# KiCad board sizif512.kicad_pcb (continued)
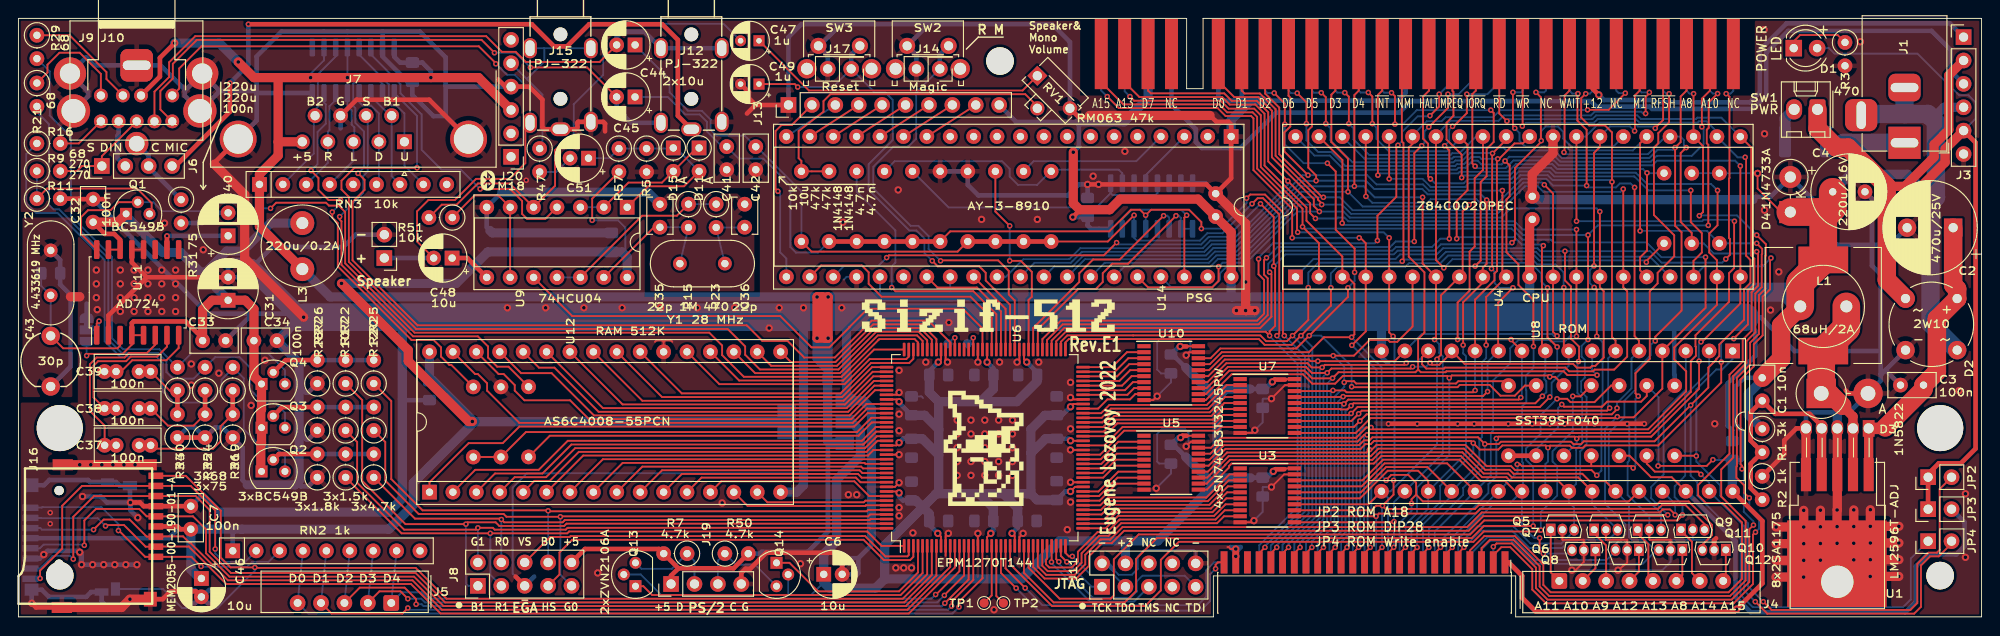
[diagram p0: board, top side]
## Routing (per net, layer and track width the routed paths; a pad name or vN(x,y) marks a point on that pad's centre or on a via; arc(x,y) is an arc through that point) (continued)
/~{xRFSH}: length 7.3
  Top w0.2: U5.3 119.25,18.37 117.5,16.62 U6.51
/~{xWR}: length 7.3
  Top w0.2: U5.4 119.16,17.72 117.56,16.12 U6.50
Net-(C1-Pad2): length 26.3
  Top w0.5: 195.4,20.47 195.4,20.57 ; R2.2 187.95,13.98 187.95,16.63 R1.2 187.95,19.13 187.95,22.22 C1.2 190.62,22.05 194.33,22.05 195.65,20.73 U1.4
  Top w1: U1.4 195.65,14.95
Net-(C2-Pad1): length 32.7
  Top w1: 200.75,20.57 200.75,14.95
  Top w1.25: 202.75,20.47 U1.1
  Top w2: 202.55,20.57 206.7,24.72 C3.1 208.15,26.62 208.15,32.37 D2.3 210.35,35.61 209.92,36.04 C2.1
Net-(C35-Pad2): length 15.5
  Top w0.2: C35.2 68.96,42.32 U9.13
  Bottom w0.2: Y1.2 R15.2 72.67,42.32 C35.2
Net-(C36-Pad2): length 7.1
  Bottom w0.2: C36.2 78.77,42.29 R23.2 Y1.1
Net-(C37-Pad1): length 15.4
  Top w0.2: R36.2 21.93,20.69 21.93,19.07 21.12,18.27 14.71,18.27 C37.1
  Top w0.5: R19.1 R36.2 ; C37.1 C37.1
Net-(C37-Pad2): length 19.7
  Top w0.2: C37.2 9.35,20.77 7.75,22.37 7.75,27.44 8.48,28.17 11.52,28.17 12.02,28.67 13.95,28.67 14.84,29.57 U11.6
  Top w0.5: C37.2 C37.2
Net-(C38-Pad1): length 11
  Top w0.2: C38.1 16.22,20.77 19.01,20.77 R35.2
  Top w0.5: C38.1 C38.1 ; R24.1 R35.2
Net-(C38-Pad2): length 16.5
  Top w0.2: C38.2 8.15,23.84 8.15,27.27 8.65,27.77 11.68,27.77 12.18,28.27 15.05,28.27 16.12,29.34 U11.7
  Top w0.5: C38.2 C38.2
Net-(C39-Pad1): length 7.6
  Top w0.2: R30.1 16.41,24.57 C39.1
  Top w0.5: R30.1 R34.2 ; C39.1 C39.1
Net-(C39-Pad2): length 11
  Top w0.2: 11.15,26.67 10.59,26.67 ; U11.8 17.38,29.21 16.05,27.87 12.35,27.87 11.12,26.65 C39.2
  Top w0.5: C39.2 C39.2
Net-(C40-Pad1): length 8.1
  Top w0.5: U11.10 16.12,41.37 v2(16.12,41.37)
  Bottom w0.5: C40.1 16.14,41.39 v2(16.12,41.37)
Net-(C40-Pad2): length 5.6
  Bottom w0.5: R31.2 19.96,42.78 21.07,43.89 C40.2
Net-(C43-Pad1): length 16.6
  Top w0.2: C43.1 4.85,29.17 10.74,29.17 11.03,29.47 U11.3
  Bottom w0.2: 3.5,30.52 Y2.1 2.48,35.94 R56.2
Net-(C47-Pad1): length 33.1
  Top w0.2: RV1.1 108.95,57.17 85.77,57.17 80.37,62.57 C47.1
Net-(C47-Pad2): length 52.3
  Top w0.2: R51.2 45.93,44.77 47.55,44.77 49.85,47.07 53.31,47.07 U9.5 58.23,46.83 58.23,50.7 59.25,51.72 v2(60.25,51.72)
  Bottom w0.2: v2(60.25,51.72) 60.25,55.67 63.45,58.87 63.45,62.77 65.09,64.41 76.51,64.41 C47.2
Net-(C48-Pad1): length 4.6
  Top w0.5: C48.1 48.71,38.97 U9.8
Net-(C51-Pad1): length 22.9
  Top w0.2: D11.2 72.23,46.77 68.33,46.77 U9.1
  Bottom w0.2: D11.2 71.31,50.93 D15.1 70.98,50.87 R5.1 R57.1 64.1,49.82 C51.1
Net-(C51-Pad2): length 3.9
  Bottom w0.2: 56.55,48.33 58.35,48.33 C51.2
Net-(D1-Pad1): length 6.9
  Top w0.2: R3.1 197.38,63.19 193.3,63.19 192.62,62.51 D1.1
Net-(D2-Pad2): length 41.5
  Bottom w1: 207.75,54.17 208.93,55.35 J3.4
  Bottom w2: 207.3,54.49 208.05,53.74 208.05,45.57 207.45,44.97 207.45,31.87 D2.2 ; 207.3,54.49 207.17,54.62 204.65,54.62 ; 207.3,54.49 207.35,54.44 ; 204.65,54.62 204.64,54.63 J1.2 ; 204.65,54.62 200.07,54.62 J1.3
Net-(D2-Pad4): length 43.5
  Top w1: J3.2 209.45,58.83 209.45,52.91 207.85,51.31 207.85,49.94 204.67,46.76 202.72,46.76
  Top w2: D2.4 202.72,36.6 202.72,46.76 198.51,50.97 197.25,50.97 195.2,53.02 SW1.1
Net-(D3-Pad1): length 22.8
  Top w1: 199.05,14.95 U1.2 199.05,21.77 199.04,21.77 197.88,22.93
  Top w2: 195.2,24.27 196.14,24.27 ; D3.1 196.54,24.27 197.88,22.93
  Top w3: L1.1 198.33,31.37 L2.1 195.6,28.65 D3.1
Net-(D11-Pad1): length 15.5
  Top w0.2: U9.2 66.19,47.17 69.83,47.17 D15.2 73.59,50.93 D11.1
  Bottom w0.2: U9.3 U9.2
Net-(F1-Pad1): length 8.6
  Bottom w1: 198.02,51.49 197.89,51.62
  Bottom w1.2: 197.89,51.62 F1.1
  Bottom w2: J1.1 198.02,51.49
Net-(F1-Pad2): length 3.9
  Bottom w1.2: F1.2 191.68,54.14 SW1.2
Net-(J4-Pad1): length 6
  Top w0.2: J4.1 166.25,4.84 Q5.1
Net-(J4-Pad2): length 3.9
  Top w0.2: Q6.1 171.11,5.28 J4.2
Net-(J4-Pad3): length 6.1
  Top w0.2: J4.3 172.27,7.75 170.96,9.06 Q7.1
Net-(J4-Pad4): length 3.8
  Top w0.2: Q8.1 175.82,4.92 J4.4
Net-(J4-Pad5): length 6.3
  Top w0.2: J4.5 176.85,4.4 176.85,7.87 175.68,9.04 Q9.1
Net-(J4-Pad6): length 3.6
  Top w0.2: Q10.1 180.54,4.55 J4.6
Net-(J4-Pad7): length 6.4
  Top w0.2: J4.7 181.58,4.75 181.58,8.16 180.39,9.35 Q11.1
Net-(J4-Pad8): length 3.5
  Top w0.2: J4.8 185.25,4.18 Q12.1
Net-(J13-Pad2): length 21.4
  Top w0.2: J13.2 83.91,53.42 82.8,53.42 82.15,52.77 82.15,46.47 v2(82.4,46.22)
  Bottom w0.2: v2(82.4,46.22) 82.65,45.97 82.65,39.6 83.32,38.93 U14.21
Net-(J13-Pad3): length 6.3
  Bottom w0.2: U14.20 J13.3
Net-(J13-Pad4): length 6.3
  Top w0.2: U14.19 J13.4
Net-(J13-Pad5): length 6.3
  Top w0.2: U14.18 J13.5
Net-(J13-Pad6): length 6.3
  Top w0.2: U14.17 J13.6
Net-(J13-Pad7): length 6.3
  Top w0.2: U14.16 J13.7
Net-(J13-Pad8): length 6.3
  Top w0.2: U14.15 J13.8
Net-(J13-Pad9): length 6.3
  Top w0.2: U14.14 J13.9
Net-(J19-Pad2): length 10.2
  Bottom w0.2: J19.2 73.35,6.07 R7.1 70.9,5.22 67.6,5.22 Q13.3
Net-(J19-Pad3): length 10.7
  Bottom w0.2: J19.3 75.89,6.11 R50.1 77.85,5.67 79.91,5.67 Q14.3
Net-(JP2-Pad2): length 67.7
  Top w0.2: v2(182.05,17.47) 182.02,17.5 R13.2 ; JP2.2 208.45,13.88 208.45,7.27 208.15,6.97 207.25,6.97 206.02,5.74 206.02,1.49 205.28,0.75 190.21,0.75 v2(189.31,1.65)
  Bottom w0.2: v2(189.31,1.65) 187.65,3.31 187.65,10.17 184.65,13.17 184.65,14.27 182.05,16.87 v2(182.05,17.47) 182.05,24.7 184.22,26.87 184.85,26.87 185.99,28.01 U8.1
Net-(JP3-Pad2): length 57.9
  Top w0.2: U8.30 179.38,15.17 177.14,15.17 174.81,17.5 R14.2
  Bottom w0.5: JP3.2 211.15,10.29 211.15,7.67 210.25,6.77 207.15,6.77 205.88,5.5 205.88,1.62 204.75,0.5 ; U8.30 186.3,8.25 186.3,2.16 187.96,0.5 204.75,0.5
Net-(JP4-Pad2): length 51.1
  Top w0.2: v2(188.45,1.65) 189.75,0.35 205.68,0.35 206.43,1.09 206.43,5.58 207.42,6.57 208.35,6.57 209.74,7.96 ; R18.2 176.68,16.65 177.55,15.77 182.25,15.77 v2(182.55,15.47)
  Bottom w0.2: v2(188.45,1.65) 187.25,2.85 187.25,9.84 U8.31 183.45,14.57 v2(182.55,15.47)
Net-(JP6-Pad2): length 3.7
  Top w0.2: U11.1 8.49,31.87 v2(8.75,32.12)
  Bottom w0.2: JP6.2 8.35,31.17 8.75,31.57 v2(8.75,32.12)
Net-(Q1-Pad3): length 17.8
  Top w0.2: Q1.3 14.45,44 14.45,44.95 12.88,46.52 3.1,46.52 R11.1
  Bottom w0.2: R9.1 R11.1
Net-(Q2-Pad2): length 11
  Top w0.5: R28.2 28.26,17.69 27.65,17.07
  Bottom w0.5: 38.5,17.69 32.5,17.69
Net-(Q2-Pad3): length 62.1
  Bottom w0.2: R16.1 0.85,50.27 0.85,44.94 1.93,43.86 4.25,43.86 9.35,38.76 9.35,29.94 11.02,28.27 14.96,28.27 15.65,27.58 15.65,24.47 16.85,23.27 20.61,23.27 22.04,24.7 22.04,25.77 23.25,26.98 R19.2 24.45,25.91 24.45,20.38 26.36,18.47 27.82,18.47 28.91,17.38 Q2.3
Net-(Q3-Pad2): length 11.2
  Top w0.5: 27.65,21.82 28.62,22.79 R27.2
  Bottom w0.5: 38.5,22.79 32.5,22.79
Net-(Q3-Pad3): length 57
  Bottom w0.2: R21.2 2,54.82 3.3,53.52 3.3,44.77 3.8,44.26 4.42,44.26 9.75,38.93 9.75,30.11 11.18,28.67 15.12,28.67 16.05,27.74 16.05,26.59 16.77,25.87 19.01,25.87 R24.2 21.35,28.21 23.98,28.21 25.12,27.07 25.12,24.7 26.66,23.17 27.93,23.17 28.91,22.18 Q3.3
Net-(Q4-Pad2): length 11.3
  Top w0.5: R26.2 28.98,27.89 27.65,26.55
  Bottom w0.5: 32.5,27.89 38.5,27.89
Net-(Q4-Pad3): length 56.7
  Bottom w0.2: Q4.3 28.91,26.79 27.1,28.61 18.75,28.61 R30.2 15.29,29.07 11.35,29.07 10.15,30.27 10.15,39.09 5.7,43.54 5.7,52.14 3.4,54.44 3.4,59.24 R29.2
Net-(R15-Pad1): length 20.6
  Top w0.2: R15.1 71.44,43.57 67.67,43.57 U9.12
  Bottom w0.2: R15.1 R23.1 ; U9.11 U9.12
Net-(R39-Pad2): length 16.5
  Bottom w0.2: U14.4 121.28,49.49 110.15,49.49 R39.2
Net-(R40-Pad2): length 31.2
  Bottom w0.2: 118.5,46.02 118.71,45.82 123.38,45.82 123.59,46.02 U13.5 ; 118.5,46.02 116.96,44.47 100.92,44.47 R40.2 ; 118.5,46.02 U13.1
Net-(R41-Pad2): length 31
  Bottom w0.2: R41.2 95.07,49.49 106.73,49.49 107.55,48.67 107.55,47.82 108.45,46.92 110.53,46.92 112.18,48.57 119.38,48.57 119.78,48.17 U13.2 U13.3
Net-(R45-Pad2): length 36.1
  Top w0.2: 110.51,55.5 109.24,56.77 88.1,56.77 87.35,56.02 87.35,54.87 84.65,52.77 84.65,49.82 84.95,49.52 R46.2 R45.2
Net-(R51-Pad1): length 15.4
  Top w0.2: U9.9 U9.6 52.07,45.77 49.48,45.77 R51.1
Net-(R52-Pad1): length 43
  Top w0.2: R52.1 46.96,27.37 46.75,27.37 45.85,28.27 45.85,29.27 45.05,30.07 42.65,30.07 34.65,38.07 34.65,42.77 34.05,43.37 v2(34.05,43.97) ; v2(31.75,48.47) 32.55,47.67 32.55,46.37 33.65,45.27 v2(34.95,45.27)
  Bottom w0.2: v2(31.75,48.47) 32.45,49.17 32.45,52.67 33.35,53.57 33.35,55.67 33.15,55.87 33.15,56.9 ; v2(34.95,45.27) 34.95,44.87 v2(34.05,43.97)
Net-(TP1-Pad1): length 6.6
  Top w0.2: TP1.1 105.6,2.33 U6.20
Net-(TP2-Pad1): length 6.5
  Top w0.2: TP2.1 106.1,2.27 U6.21
Net-(TP3-Pad1): length 2.2
  Top w0.2: v2(103.6,30.32) U6.93
  Bottom w0.2: v2(103.6,30.32) TP3.1
Net-(TP4-Pad1): length 2.3
  Top w0.2: v2(101.6,30.32) U6.97
  Bottom w0.2: v2(101.6,30.32) 101.5,30.32 TP4.1
Net-(U13-Pad4): length 6.8
  Bottom w0.2: U14.3 123,48.67 123,48.67 122.31,47.99 122.31,47.1
Net-(U13-Pad15): length 15.5
  Top w0.2: v2(126.75,43.62) 126.5,43.37 U14.38
  Bottom w0.2: v2(126.75,43.62) 126.15,44.22 120.8,44.22 119.78,43.19 U13.15

## Copper pours and planes (outline as drawn; the poured copper is in the pictures)
+3V3 on Bottom: 84.45,25.77 84.45,16.67 74.95,16.67 74.95,25.77
GND on Top: -0.15,65.17 213.25,65.17 213.25,-0.23 -0.15,-0.23
GND on Bottom: -0.35,-0.43 -0.35,65.37 213.45,65.37 213.45,-0.43

## Text on the board
B.Fab: Install one of J16 or J21 | PAL / NTSC
B.Silkscreen: composite on minidin / composite on jack, sync on minidin | 12x100n | +12 / • / +9 / ◯ / +5 / G | Video | Kempston/Megadrive Joy | Tape | Audio / Video | DC 9-12V / Any polarity
User.Drawings: Case narrowing line / No elements w H>10mm bellow
F.Fab: Install one of J16 or J21 | Install one of J9 or J10 | Power | Layers: 2 / Dimensions: 65x213mm / Thickness: 1.6mm | Min clearance: 0.2mm / Min track: 0.2mm / Min hole: 0.3mm / Min annular ring: 0.15mm
F.Silkscreen: Speaker& / Mono / Volume | JP2 ROM A18 / JP3 ROM DIP28 / JP4 ROM Write enable | R M | Rev.E1 | Eugene Lozovoy 2022
